# KiCad board Marble.kicad_pcb (continued)
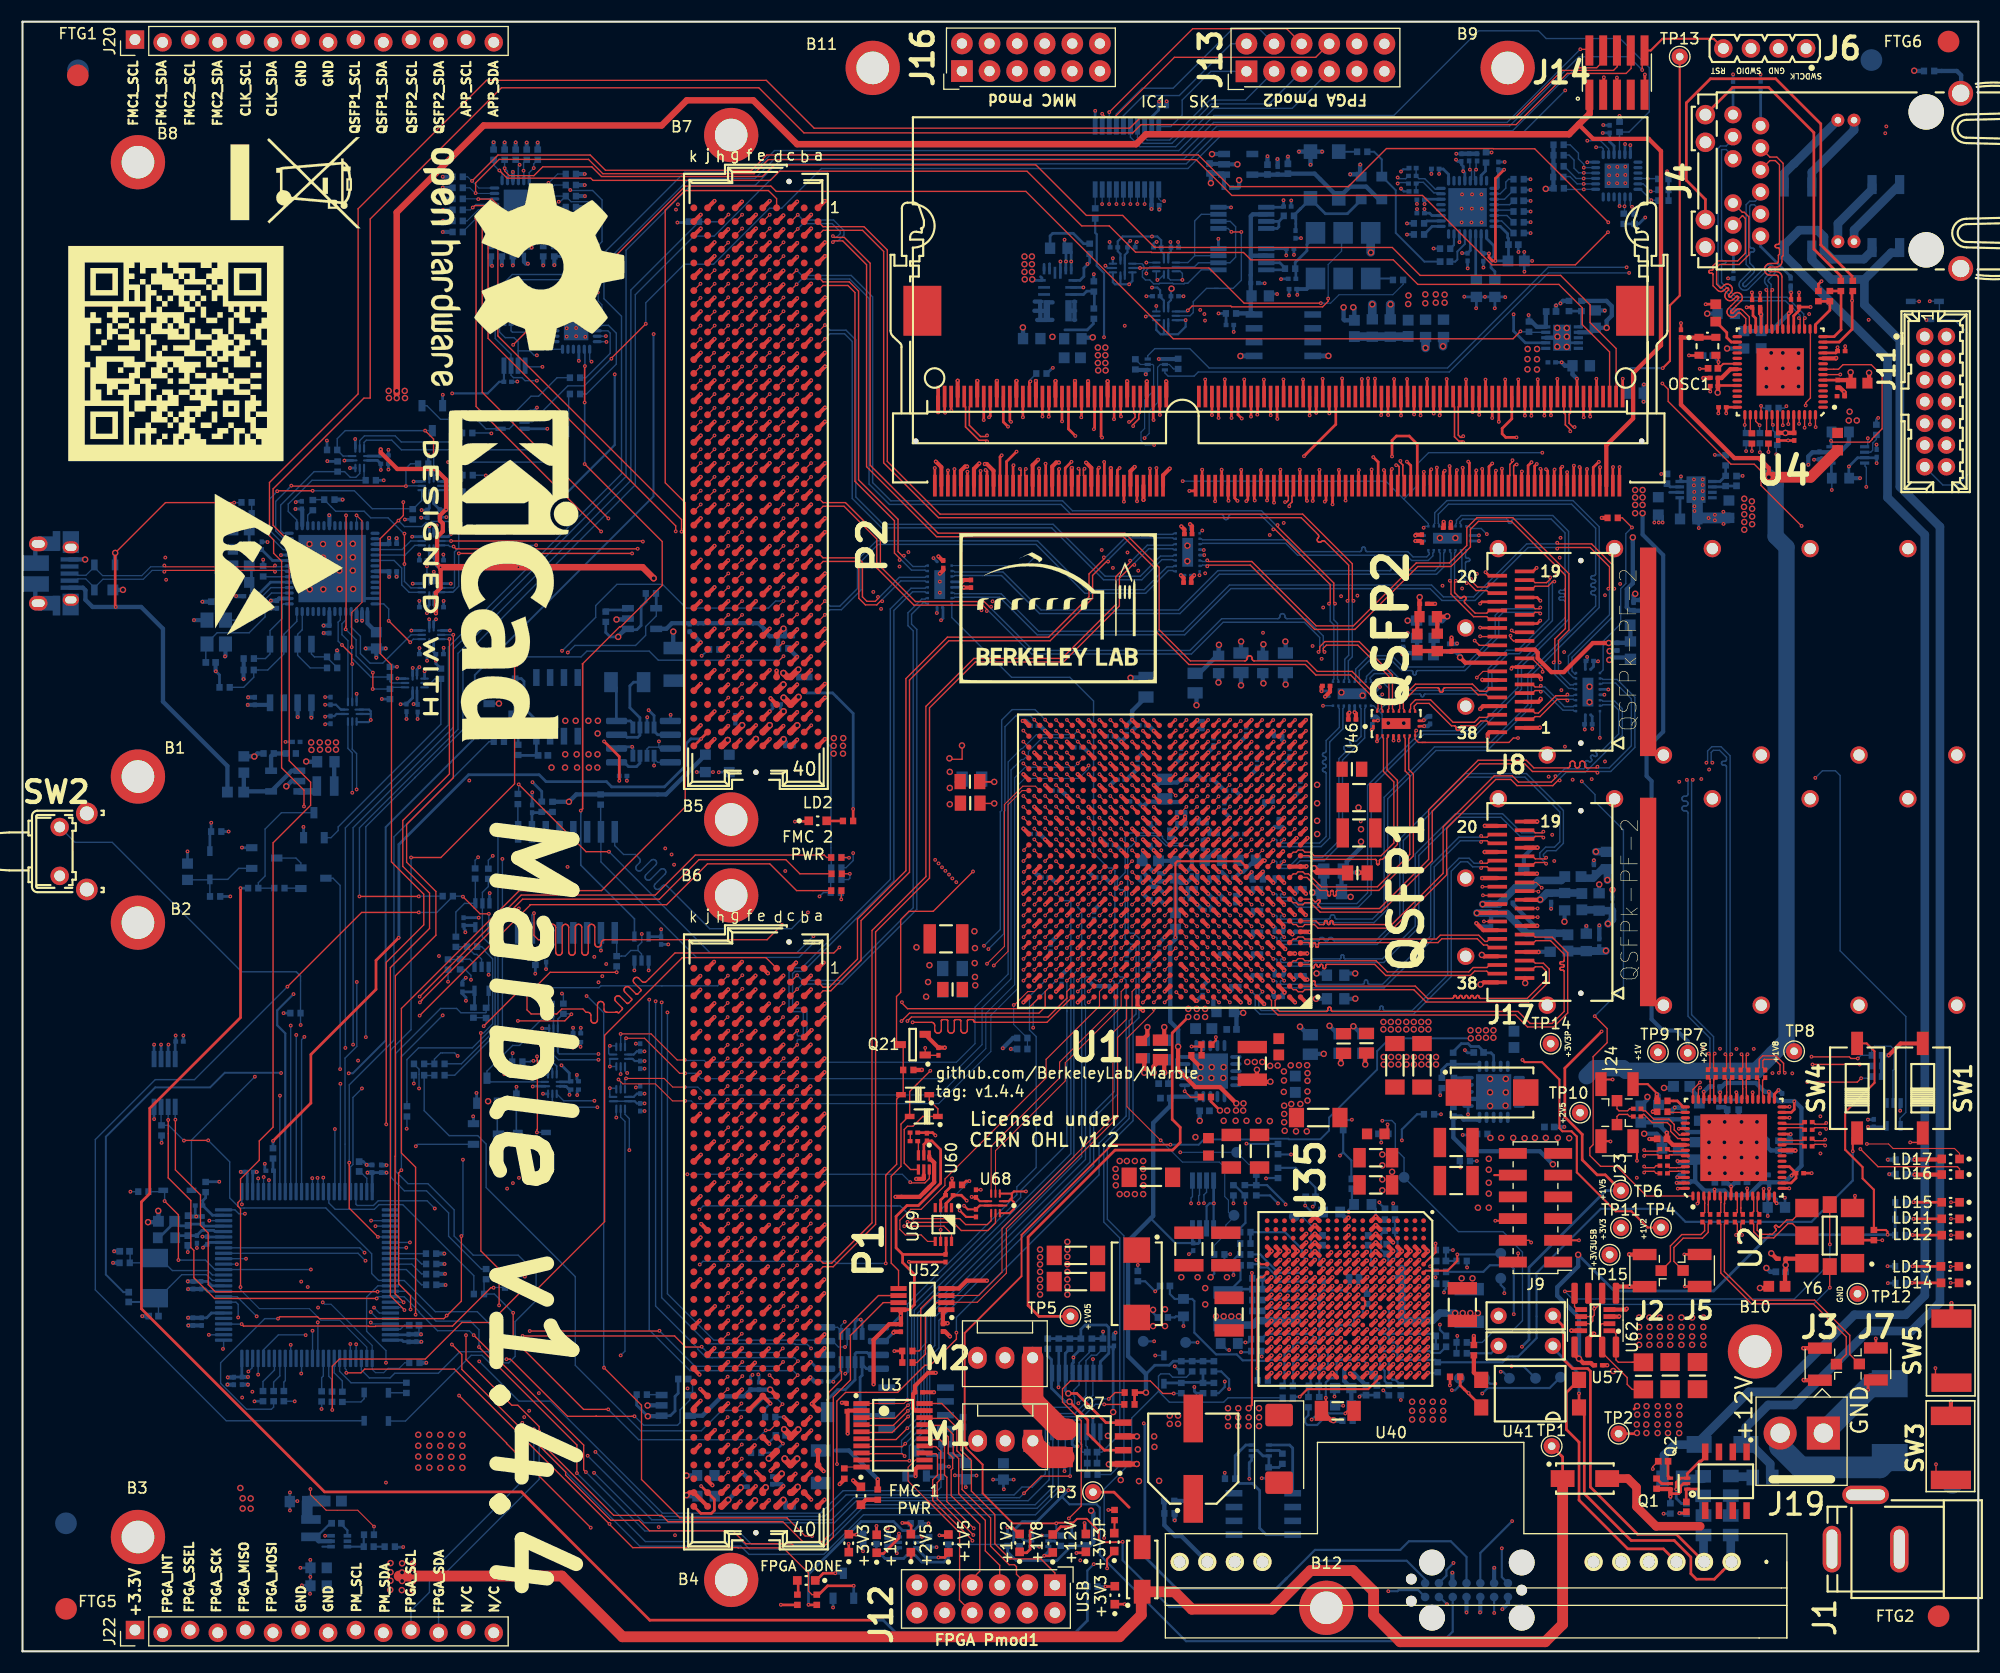
[diagram p0: board, top side]
## Routing (per net, layer and track width the routed paths; a pad name or vN(x,y) marks a point on that pad's centre or on a via; arc(x,y) is an arc through that point) (continued)
+1V8: length 234.1
  Top w0.2: U1.N6 112.12,72.73 106.29,72.73 106.11,72.55 v1(106.11,65.73)
  Top w0.254: R76.1 109.39,50.6 v2(110.21,49.77) ; 154.28,120.94 154.3,120.92 ; 152.66,120.92 C43.1
  Top w0.4: v2(106.36,55.65) 106.36,53.52 107.95,51.93 110.21,51.93 v2(111.71,50.43) ; 160.74,108.08 v2(160.73,108.07) 160.73,108.91 159.8,109.83 157.55,109.83 152.64,114.75 C43.1 ; 152.66,120.92 155.85,120.92
  Top w1: v2(160.73,108.07) 164.57,108.07 L3.1
  In2.Cu w0.254: v1(96.25,14.83) 96.84,15.42 96.84,16.29 96.59,16.54 96.59,21.47 97.59,22.47 97.59,23.59 97.75,23.75 97.75,25.83 97.95,26.03 97.95,27.13 98.65,27.83 100.75,27.83 102.45,29.53 102.45,33.33 106.9,37.78 106.9,41.68 109.62,44.4 109.62,49.19 ; 109.63,49.19 v2(110.21,49.77)
  Bottom w0.2: 95.65,14.23 96.35,13.53 98.85,13.53 99.15,13.23 99.15,8.87 107.09,0.93 130.75,0.93 131.63,1.81 131.63,5
  Bottom w0.254: R255.1 91.65,9.68 91.23,10.1 91.23,11.14 92.02,11.93 93.35,11.93 v1(96.25,14.83)
  Bottom w0.4: v2(106.36,55.65) 106.36,57.24 105.63,57.96 105.63,65.08 106.12,65.57 L27.1
  Bottom w1.5: 161.15,55.03 159.55,53.43 147.55,53.43 147.3,53.68 144.7,53.68 143.95,52.93 ; v2(160.73,108.07) 161.35,107.45 161.35,102.63 162.35,101.63 162.35,56.23 161.05,54.93
  vias: v2(110.87,49.77) v2(111.68,49.77) v2(112.37,50.43) v2(112.35,49.77) v2(116.08,51.49) v2(116.12,50.22) v2(116.12,49.46) v2(116.12,48.7) v2(116.17,47.91) v2(116.77,50.37) v2(117.21,47.86) v2(117.6,50.38) v2(118.2,47.86) v2(118.26,51.53) v2(118.26,50.69) v2(135.1,47.26) v2(136.1,47.26) v2(137.2,47.26) v2(138.25,47.23) v2(139.2,47.26) v2(140.2,47.26) v2(141.3,47.26) v2(142.35,47.23)
+1V8_USB: length 2.2
  Bottom w0.381: C173.1 31.75,94.62 U23.43
+2V5: length 309.6
  Top w0.127: 88.29,78.04 v2(89.43,78.04)
  Top w0.178: 86.63,65.58 C239.1 86.91,65.58 ; 88.29,80.03 v2(89.43,80.03)
  Top w0.2: v1(87.35,41.83) 87.4,41.78 C319.1 88.1,41.43 U68.6
  Top w0.254: R162.1 72.35,4.27 v1(72.34,4.28) ; R1.1 80.97,27.63 R2.1 80.25,27.64 v1(80.24,27.63) ; v1(167.05,120.03) C55.1 166.89,119.51 U4.11 ; C56.1 163.02,112.2 U4.52 ; C79.1 161.52,112.21 U4.49 ; v1(85.55,43.53) 85.56,43.52 R6.1 85.56,42.89 84.95,42.28 C433.1 84.5,41.53 U69.3 ; 162.49,112.15 162.48,112.15 v2(162.25,112.15) 162.49,112.15 162.5,112.15 ; U1.F26 v1(92.12,64.73)
  Top w0.381: U1.U23 v1(95.12,76.73) ; U1.AC25 v1(93.12,82.73) ; U1.H20 v1(98.12,66.73) ; U1.G23 v1(95.12,65.73) ; U1.T6 v1(113.12,75.73) ; U1.AD22 v1(96.12,83.73) ; U1.T16 v1(102.12,75.73) ; U1.L7 v1(112.12,69.73) ; U1.A21 v1(97.12,59.73) ; U1.F16 v1(102.12,64.73) ; U1.E19 v1(99.12,63.73) ; U1.T26 v1(92.12,75.73) ; U1.P7 v1(112.12,73.73) ; U1.K24 v1(94.12,68.73) ; U1.P22 v1(96.12,73.73) ; U1.D22 v1(96.12,62.73) ; U1.Y24 v1(94.12,79.73) ; U1.M18 v1(100.12,70.73) ; U1.C15 v1(103.12,61.73) ; U1.D12 v1(107.12,62.73) ; U1.G13 v1(105.12,65.73) ; U1.B8 v1(111.12,60.73) ; U1.H10 v1(109.12,66.73) ; v1(97.12,80.73) 97.12,80.73 U1.AA21 ; P1.G39 65.62,14.61 ; v1(92.06,85.64) 92.21,85.64 U1.AF26 ; R4.1 75.64,15.81 v1(75.21,15.38) ; v1(110.12,63.73) 110.12,63.73 U1.E9 ; v1(101.11,67.72) 101.11,67.72 U1.J17 ; U1.N25 93.12,71.73 v1(93.12,71.73) ; U1.V20 98.12,77.73 v1(98.12,77.73) ; U1.A11 107.99,59.86 v1(108.07,59.86) ; v1(97.12,69.73) 97.12,69.73 U1.L21 ; U3.2 76.01,22.16 75.94,22.09 v1(75.94,20.04) ; v1(99.21,74.79) 99.21,74.64 U1.R19 ; P1.H40 64.35,13.34 ; P2.H40 64.37,83.34 ; U1.C25 v1(93.12,61.73) ; U1.B18 v1(100.12,60.73)
  Top w0.4: v2(103.53,57.45) 103.53,56.74 C281.1 ; C79.1 162.49,112.15 ; v1(38.05,95.55) 38.05,97.45 38.48,97.88 v1(38.48,99.79) 38.16,100.11 38.16,102.56 38.68,103.09 38.68,103.81 38.42,104.07 38.42,104.55 38.96,105.1 v1(38.99,105.1) 38.99,107.84 38,108.83 34.49,108.83 32.97,110.35 v1(32.97,110.63) ; v1(85.14,30.19) 84.76,30.19 C21.1 84.71,31.12 U52.1 ; C287.1 105.08,56.61 v2(105.08,57.45) ; R160.1 82.76,53.51 v1(82.77,53.52) ; C56.1 162.5,112.15
  Top w0.6: 64.37,83.34 64.9,83.87 v2(64.9,83.88) ; v2(58.09,98.77) 57.07,99.79 v1(38.48,99.79) ; P2.G39 v2(66.23,85.25) ; P1.F40 v2(67.41,13.88) ; P2.E39 v2(68.77,85.25) ; P2.F40 v2(67.5,83.98) ; v2(68.4,15.08) 68.13,14.82 P1.E39 ; 65.62,14.61 v2(66.09,15.08) ; 64.35,13.34 v2(64.94,13.94)
  In2.Cu w0.254: v1(83.39,11.78) 80.87,14.29
  In2.Cu w0.6: v2(58.09,98.77) 58.09,96.68 61.82,92.95 61.82,83.61
  In4.Cu w0.254: v1(125.7,5.53) 124.9,5.53 123.05,7.38 117.15,7.38 115.55,5.78 103.7,5.78 103.1,6.38 99.26,6.38 97.81,7.84 76.46,7.84 72.9,4.28 v1(72.34,4.28)
  In4.Cu w0.381: v1(167.05,120.03) 167.05,120.39 169.84,123.18 176.05,123.18 177.07,122.16 J11.2
  In9.Cu w0.254: v1(50.67,57.39) 50.42,57.39 47.19,60.63 v1(47.19,62.37) 47.19,62.62 47.9,63.33 47.9,75.81 v2(50.29,78.2)
  Bottom w0.13: R282.2 74.43,73.07 R283.1 74.41,83.24 74.01,83.63
  Bottom w0.2: 129.09,5 128.45,5.63 126.65,5.63 126.55,5.53 v1(125.7,5.53) ; v1(57.25,51.33) C423.1 56.55,51.33 56.25,51.03 U51.6 ; v1(57.24,55.22) 57.24,55.23 C422.1 56.55,55.23 56.25,54.93 U65.6
  Bottom w0.254: 50.03,51.99 49.91,51.99 49.89,52.01 49.47,52.01 U9.7 ; 50.03,51.99 49.93,51.99 ; 50.03,51.99 50.29,51.73 50.35,51.73 50.35,51.23 v1(50.34,51.22) ; v1(32.97,110.63) 32.97,110.63 C186.1 32.92,110.02 U33.6 ; v1(49.6,53.94) 50.32,53.22 50.32,52.42 50.32,52.41 U9.6 ; v1(47.9,51.32) 47.91,51.31 U9.10 ; R166.1 45.64,100.74 v1(45.64,99.79) ; U26.6 37.84,105.65 C185.1 38.98,105.09 v1(38.99,105.1) ; v1(44.31,56.63) 44.31,56.63 R131.1 ; v1(170.79,113.53) 170.62,113.36 R262.1 ; v1(83.39,11.78) R251.1 82.69,11.76 82.05,11.12 81,11.12 80.17,11.94 77.18,11.94 72.34,7.1 v1(72.34,4.28) ; v1(47.19,62.37) 47.2,62.39 R227.1 ; v1(47.75,55.72) 47.75,56.1 47.88,56.23 48.21,56.23 U8.1 ; v1(38.05,95.55) 38.05,95.55 C356.1 37.84,96.32 U15.6 ; v1(48.46,54.83) 48.47,54.84 U8.10 48.47,55.31 ; U8.6 50.42,56.63 C213.1 50.68,57.39 v1(50.67,57.39) ; v1(38.48,99.79) 38.23,99.79 38.05,99.97 C187.1 37.84,100.63 U38.6 ; U8.7 50.52,56.23 C212.1 50.68,55.57 v1(50.67,55.57)
  Bottom w0.381: v1(112.12,69.73) 111.97,69.58 C248.1 ; v1(105.12,65.73) 104.62,65.23 C333.1 ; v1(102.12,64.73) 101.62,64.23 C249.1 ; C260.1 U1.H20 v1(98.12,66.73) ; C258.1 94.62,65.23 v1(95.12,65.73) ; C256.1 U1.T6 v1(113.12,75.73) ; C337.1 111.27,60.88 v1(111.12,60.73) ; 95.62,62.08 95.62,62.23 v1(96.12,62.73) ; C262.1 U1.T26 v1(92.12,75.73) ; v1(100.12,70.73) 99.62,71.23 99.47,71.23 ; v1(103.12,61.73) U1.C15 C335.1 ; 96.77,83.23 U1.AD22 v1(96.12,83.73) ; v1(94.12,79.73) U1.Y24 C247.1 ; C245.1 93.57,71.43 93.42,71.43 v1(93.12,71.73) ; C251.1 100.12,61.08 v1(100.12,60.73) ; 110.27,64.23 110.12,64.08 v1(110.12,63.73) ; C392.1 108.59,60.38 v1(108.07,59.86) ; v1(99.21,74.79) 99.77,74.24 C250.1 ; v1(92.06,85.64) 92.36,85.64 92.77,85.23
  Bottom w0.4: R64.2 168.1,111.2 167.27,110.37 U6.3 ; R225.1 v2(50.29,78.2) 50.96,78.87 R223.1 59.22,78.87 62.51,82.16 ; v1(164.36,109.22) 164.36,109.99 164.74,110.37 166.48,110.37 ; v1(90.22,55.51) 91.17,56.46 R221.1 ; v2(64.94,13.94) v2(66.09,15.08) 66.14,15.13 C67.1
  vias: v2(74.67,84.06) v2(74.65,83.34) v2(74.65,82.63) v2(75.54,84.06) v2(75.51,83.34) v2(75.51,82.63) v2(87.61,66.28) v2(87.66,64.73) v2(87.64,63.35) v2(87.66,62.07) v2(87.69,61.3) v2(100.6,44.39) v2(100.62,43.66) v2(100.62,42.89) v2(100.98,45.13) v2(100.98,42.08) v2(101.64,45.13) v2(101.64,42.08) v2(102.38,45.13) v2(102.38,42.08) v2(103.14,45.13) v2(103.14,44.39) v2(103.16,43.66) v2(103.16,42.89) v2(103.14,42.08)
+3V3: length 195.4
  Top w0.2: U68.1 U68.7 88.1,41.03 C318.1 87,40.68 86.75,40.93 86.73,40.93 v1(86.65,41.01)
  Top w0.254: 124.32,85.15 124.32,84.97 v1(124.18,84.83) ; v1(126.67,83.84) 126.67,83.84 126.67,84.3 ; R163.1 69.81,4.27 v1(69.8,4.28) ; U2.14 160.24,42.55 v1(160.25,42.56) ; 128.52,85.15 129,85.15 v1(129,85.16)
  Top w0.381: v1(86.64,97.93) 86.66,97.91 C37.1 ; v1(107.45,103.75) 107.64,103.56 C395.1 ; C305.1 122.02,86.31 v1(122.12,86.4) ; P1.C39 70.7,14.61 ; v1(84.05,25.63) 83.34,25.63 82.13,24.42 C314.1 81.97,23.67 81.97,22.36 82.17,22.16 U3.19 ; P1.D40 69.43,13.34 ; v2(71.3,85.23) 71.3,85.23 71.29,85.23 ; v1(128.19,102.71) 128.26,102.78 C292.1 ; v1(84.3,100.78) 84.67,100.4 C397.1 ; P2.D40 69.45,83.34 ; C396.1 120.34,88.33 v1(119.89,87.87) ; v1(107.83,99.05) 107.56,98.78 C104.1 ; P2.D36 69.45,88.42 ; C306.1 131.45,103.43 v1(131.45,103.97)
  Top w0.4: 83.48,42.75 83.91,43.17 83.91,44.97 83.45,45.43 U60.1 ; 83.48,42.75 82.95,42.21 ; 83.48,42.75 82.57,41.83 v1(80.35,41.83) ; L2.1 128.37,95.02 C297.1 128.57,97.01 v2(128.59,97.03)
  Top w0.5: 68.73,17.75 v2(68.68,17.75)
  Top w0.6: P2.C39 71.29,85.23 ; 70.7,14.61 70.83,14.61 v2(71.35,15.13) ; P1.D36 68.73,17.75 ; P2.D38 70.04,86.52 ; 69.45,88.42 v2(70.03,88.99) ; P1.D38 v2(69.87,16.35) ; 69.43,13.34 v2(70.03,13.94) ; 69.45,83.34 70.03,83.91
  In4.Cu w0.4: 108.66,100.9 107.89,100.9 107.83,100.96 107.83,101.01 ; v2(105.75,125.43) 106.85,125.43 107.82,124.46 107.82,108.08 108.54,107.36 108.54,104.12 109.23,103.43 109.23,102.84 109.08,102.69 108.27,102.69 ; 108.27,102.69 107.83,102.26 107.83,101.01 ; 108.27,102.69 107.45,103.5 v1(107.45,103.75) ; 107.83,101.01 v1(107.83,99.05)
  Bottom w0.127: v1(108.76,100.9) 108.76,100.9 108.65,100.9
  Bottom w0.2: U67.1 U67.7 101.45,128.53 101.7,128.78 C428.1 101.7,129.58 v1(101.95,129.83) ; 105.95,125.43 105.7,125.18 C316.1 105.7,124.38 105.45,124.13 U42.7 ; 47.57,121.12 47.5,121.12 47.25,120.88 v1(47.25,120.58) ; R28.1 44.7,125.34 v1(44.24,124.88) 44.33,124.8 C415.1 44.31,124.18 U59.1 ; v1(105.65,129.73) 105.7,129.68 C429.1 105.7,128.88 105.45,128.63 U53.7 ; J21.9 131.05,6.96 131.05,7.48 v1(131.7,8.13)
  Bottom w0.254: 146.31,68.17 146.32,68.19 C398.1 ; C400.1 145.12,64.5 145.07,64.45 ; R29.1 138.65,122.94 ; U48.10 119.89,87.89 119.89,87.88 v1(119.89,87.87) ; 144.33,90.39 144.59,90.65 144.59,91.13 v1(145.01,91.13) ; v1(160.63,40.07) 160.61,40.08 160.61,41.72 160.25,42.08 v1(160.25,42.56) ; v1(77.35,9.21) 77.37,9.22 R248.1 ; R224.1 47.79,79.15 v1(46.94,80) ; U50.6 131.39,103.92 131.43,103.97 v1(131.45,103.97) ; v1(134.05,102.72) 134.03,102.7 U50.10 ; 107.48,99.05 v1(107.83,99.05) ; v1(125.14,88.08) 124.96,87.89 U48.1 ; U58.14 94.52,127.7 94.54,127.71 ; R130.1 99.44,29.42 v1(99.45,29.43) ; R130.1 99.46,28.78 ; R130.1 R173.1 ; v1(84.3,100.78) 84.68,100.4 84.68,100.29 ; v1(84.54,94.91) 84.71,95.09 84.71,96.05 84.68,96.09 ; v1(146.98,141.33) R199.1 ; v1(145.44,139.76) 145.44,139.76 C215.1 146.07,138.97 146.48,138.56 U34.21 ; 93.21,126.2 93.22,126.19 U58.12 93.82,126.41 93.7,126.53 ; R172.1 95.91,16.59 v1(95.9,16.58) ; 145.18,88.04 145.58,88.04 v1(145.59,88.05) ; v1(147.49,138.74) 147.48,138.73 U34.23 ; U31.7 138.31,120.45 137.23,121.53 v1(137.23,123.07) ; U11.5 58.76,65.78 C78.1 v1(58.77,66.46) ; 70.04,86.52 69.77,86.79 C8.1 ; v1(149.35,131.98) 148.76,131.39 R302.1 R301.1 ; 170.68,109.89 170.65,109.86 168.89,109.86 168.08,109.05 168.08,108.13 ; C411.1 94.57,130.28 94.82,130.52 96.7,130.52 97.66,129.57 R24.1 ; R303.2 R304.2 151.49,135.52 R305.2 151.48,136.11 v1(151.36,136.23) ; v1(169.85,48.28) 171.43,48.28 171.5,48.35 ; R265.1 v1(171.68,33.89) ; v1(170.64,109.37) 170.65,109.37 C41.1 ; 144.33,86.19 144.47,86.06 C290.1 144.47,84.91 v1(144.47,84.9) ; U58.13 94.02,127.67 ; v1(86.64,97.93) 86.63,97.94 85.53,97.94 ; U39.18 48.23,123.05 v1(48.23,123.05) ; U48.6 122.11,86.41 v1(122.12,86.4) ; 107.48,103.25 107.48,103.72 v1(107.45,103.75) ; v1(51.23,125.28) 50.89,125.28 C342.1 50.88,125.26 50.97,125.26 50.7,124.99 U39.21 ; R264.1 171.66,35.44 v1(171.65,35.45) ; U12.19 103.92,141.23 104.57,141.87 104.57,142.18 ; v1(128.19,102.71) 128.19,102.7 U50.1 ; 108.33,100.9 108.65,100.9
  Bottom w0.381: R50.2 38.71,134.71 v1(38.68,134.74) ; R91.2 51.71,132.93 v1(51.74,132.96) ; R62.2 v1(169.12,107.98) ; R55.2 v1(51.74,135.98) ; v2(149.55,51.03) 149.55,50.8 L8.2 ; v1(124.18,84.83) 124.23,84.88 C291.1 ; R83.2 v1(51.69,131.92) ; R54.2 45.39,138.23 v1(45.39,138.89) ; R56.2 v1(47.42,138.88) ; v2(149.25,47.64) 149.25,47.64 150.42,47.64 150.89,47.18 L6.1 ; C23.1 129.34,85.16 v1(129,85.16) ; 152.03,51.86 v2(151.08,51.86) ; R49.2 v1(38.68,135.73) ; R53.2 v1(46.4,138.88)
  Bottom w0.4: R29.1 138.66,122.41 138.88,122.41 139.37,121.91 U31.10 140.2,123.29 C24.1 ; 70.03,83.91 70.23,83.7 C7.1 ; C64.1 69.6,16.08 v2(69.87,16.35) ; v2(121.59,123.71) 121.59,122.61 121.68,122.51 L11.1 122.58,123.61 v2(122.48,123.71) ; R19.1 v1(171.68,45.25) ; L1.1 149.46,95.76 149.44,95.79 148.32,95.79 C295.1 147.93,95.83 147.65,96.1 147.65,97.76 148.21,98.31 v2(148.21,102.53) ; C63.1 70.25,13.71 v2(70.03,13.94) ; 140.9,138.67 140.9,134.62 v2(140.19,134.62) ; v1(171.81,43.92) 172.39,43.92 R18.1 ; v1(104.61,142.65) 104.61,142.24 C315.1 ; L4.1 v2(156.88,119.92) ; C294.1 127.1,92.4 v2(127.1,91.86) 127.12,91.89 128.36,91.89 128.36,93.22 C296.1
  Bottom w0.7: L44.1 C403.1 144.55,64.45 ; L30.1 145.03,68.25 C401.1 146.31,68.17 146.33,68.16 146.33,67.35 145.95,66.97 v2(145.92,66.97) ; 144.55,64.45 145.7,64.45 v2(145.73,64.48) ; 144.55,64.45 145.07,64.45 ; 145.46,72.08 144.56,71.17 143.44,71.17 ; 145.52,72.09 145.87,71.73 145.87,70.97
  vias: v1(138.61,123) v1(168.09,109.06) v2(70.05,86.52) v2(70.05,83.96) v2(92.22,128.39) v2(92.22,127.68) v2(92.22,126.97) v2(92.24,126.28) v2(92.9,128.39) v2(92.9,127.68) v2(92.9,126.97) v2(92.93,126.28) v2(93.65,36.98) v2(93.65,36.27) v2(93.65,35.61) v2(93.65,34.93) v2(93.65,34.21) v2(93.65,33.53) v2(93.65,32.84) v2(96.16,37.69) v2(96.16,36.98) v2(96.16,36.32) v2(96.16,35.63) v2(96.16,34.92) v2(96.16,34.23) v2(96.16,33.55) v2(96.16,32.84) v2(145.87,71) v2(158.46,106.09) v2(158.44,105.35) v2(158.46,104.66) v2(158.46,103.95) v2(158.46,103.24) v2(159.16,105.85) v2(159.19,105.17) v2(159.19,104.46) v2(159.19,103.75)
+3V3_CLEAN: length 27.9
  Bottom w0.254: U16.1 116.3,129.11 C112.1 116.31,128.5 v1(116.31,128.49) ; v1(116.05,133.57) 116.06,133.57 C117.1 115.99,132.92 U19.1 ; v1(110.08,123.15) R58.2 110.77,123.13 C110.1 110.77,122.54 ; U20.4 132.75,136.08 v1(132.59,136.24) 132.59,136.69 132.44,136.84 132.44,137.14 132.09,137.14 v1(131.93,137.3) ; L26.2 138.22,127.01 v1(138.23,126.99) ; L26.2 v1(138.22,128.81) ; L26.2 v1(138.94,127.98) ; U20.30 129.09,133.66 ; v1(135.21,137.97) 135.19,137.98 134.65,137.98 ; v1(129.03,133.22) 129.03,133.62 C116.1 129.09,133.56 ; C115.1 117.32,125.34 v1(117.32,124.86) ; 118.69,126.05 Y3.6 ; 130.38,136.49 v1(130.38,135.99) ; U20.20 133.25,128.94 C125.1 132.51,128.69 v1(132.49,128.71) ; U20.27 129.72,132.16 129.51,132.38 C124.1 129.03,132.38 v1(129.03,132.76) ; 130.43,136.44 130.76,136.44 131.25,135.95 U20.1
  Bottom w0.354: 118.62,125.82 118.19,125.39 C115.1
  Bottom w0.381: U13.1 110.57,135.91 C80.1 ; 109.37,135.4 v2(109.37,135.15) ; v2(109.48,137.81) 109.49,137.82 U13.3
  Bottom w0.402: U13.1 110.5,136.02 109.37,136.02 109.37,135.4
  vias: v2(127.56,124.8) v2(127.53,124.01) v2(129.11,124.9) v2(129.11,124.09) v2(130.07,124.9) v2(130.07,124.14) v2(130.88,124.88) v2(130.88,124.14)
+3V3_USB: length 262.8
  Top w0.254: v1(78.25,2.86) 57.73,2.86 45.92,14.67 27.8,14.67 10.94,31.53 10.94,41.37 11.71,42.13 11.71,49.98 20.06,58.33 v1(20.06,70.25)
  In2.Cu w0.2: v1(98.59,8.02) 104.39,13.82 106.44,13.82 110.9,18.28 117.7,18.28 119.72,20.3 132.52,20.3 136.6,24.38 136.6,26.98 137.05,27.43 137.05,28.19 139.25,30.39 139.25,30.98 140.55,32.28 143.84,32.28 146.07,34.51 TP15.1
  Bottom w0.127: v1(37.22,99.88) 37.22,99.31 37.44,99.09 U15.1
  Bottom w0.2: U66.7 29.3,86.68 28.85,87.13 C424.1 v1(27.85,87.13) ; U66.10 v1(30.75,88.13) ; R78.1 98,7.43 v1(98.59,8.02)
  Bottom w0.254: R121.1 33.08,87.65 v1(33.07,87.66) ; v1(34.8,87.18) 34.81,87.2 C178.1 35.9,87.76 U24.7 ; v1(34.5,89.55) 34.52,89.53 U24.10 ; v1(35.91,90.52) 35.9,90.51 U24.1 ; v1(17.98,100.55) 18.62,99.91 L24.1 ; v1(78.25,2.86) 79.22,2.86 80.34,1.74 96.92,1.74 98,2.82 R78.1 ; v1(35.19,104.18) 35.2,104.19 R122.1 ; v1(34.47,90.62) 34.46,90.62 R123.1 ; v1(18.29,103.19) 18.31,103.22 L25.1 ; v1(37.23,91.18) 37.23,91.18 C180.1 37.44,92 U25.7 ; U26.10 36,107.68 v1(35.99,107.67) ; R271.2 v1(20.06,70.25) ; U15.7 37.44,96.32 C355.1 37.23,95.57 v1(37.22,95.56) ; v1(32.98,108.74) 32.97,108.75 C183.1 32.66,109.62 U33.7 ; R125.1 28.08,109.53 v1(28.05,109.55) 28.03,109.58 ; U25.10 35.79,93.96 v1(35.79,93.96) ; v1(37.45,103.56) 37.44,103.55 U38.1 ; v1(25.12,105.15) 25.12,105.15 C164.1 ; U26.1 37.44,109.22 R124.1 37.35,110.11 v1(37.36,110.12) ; U26.7 37.44,105.22 C182.1 36.73,105.05 v1(36.73,105.04) ; U38.7 37.44,100.63 C184.1 37.23,99.88 v1(37.22,99.88) ; v1(30.13,108.92) 30.14,108.92 U33.10 ; v1(35.91,98.28) 35.92,98.28 U15.10 ; R270.1 v1(19.12,69.48) ; R126.1 v1(33.25,107.79) ; D16.1 17.24,75.34 R272.2 17.36,76.25 v1(17.37,76.27)
  Bottom w0.381: C164.1 25.75,105.11 U23.16 ; v1(25.33,85.99) 25.32,86.01 U21.6 ; U23.50 28.25,94.43 C170.1 27.72,94.42 v1(27.71,94.41) ; U23.31 33.7,101.91 C176.1 33.73,102.47 v1(33.74,102.48) ; R113.1 28.97,92.11 v1(28.95,92.13) ; U23.36 33.73,99.41 C177.1 33.73,98.91 v1(33.74,98.9) ; R117.1 20.36,90.34 R115.1 v1(20.34,89.49) ; v1(31.25,94.87) 31.25,94.88 U23.44 ; v1(20.74,87.11) 20.74,87.12 C163.1 22.59,87.12 U21.8 ; U23.2 23.62,96.91 C169.1 22.86,96.71 v1(22.86,96.71)
  Bottom w0.4: L23.2 28.69,81.85 C172.1
  vias: v2(26.57,83.66) v2(26.59,82.97) v2(27.35,83.66) v2(27.38,83) v2(28.11,83.66) v2(28.14,83) v2(28.85,83.66) v2(28.85,83)
+12V: length 87.9
  Top w0.127: 146.57,27.71 146.56,27.7 ; 148.15,26.61 R15.2 146.87,26.61 146.66,26.83 U62.8 146.66,29.23 146.37,29.51 U57.1
  Top w0.2: v1(119.95,23.33) 119.95,22.53 R134.1 ; v2(112.85,22.37) 113.15,22.67 v1(113.15,34.83)
  Top w0.4: U35.H18 v1(123.75,26.43) ; v2(120.65,21.27) 120.41,21.27 R134.1
  In7.Cu w0.2: 133.65,10.93 133.65,5.93 135.45,4.13 v1(135.45,3.53)
  Bottom w0.127: R254.1 90.52,9.83 R252.1
  Bottom w0.2: v1(135.45,3.53) 135.44,3.54 135.44,5 ; R111.1 113.18,34.8 v1(113.15,34.83) ; R133.2 119.35,22.03 v1(118.65,21.33) ; v1(123.75,26.43) 123.35,26.83 121.36,26.83 121.35,26.83 121.19,26.83 120.95,26.59 120.95,25.33 120.74,25.13 120.35,25.13 119.95,24.73 v1(119.95,23.33) ; v1(137.25,31.03) 137.25,35.23 136.95,35.53 135.05,35.53 134.45,34.93 R110.1
  Bottom w0.254: R249.1 78.58,9.34 79.38,8.54 81.09,8.54 81.38,8.83 82.15,8.83 82.77,8.21 84.81,8.21 85.21,8.61 R252.1 ; R257.1 97.79,9.71 R256.1 96.55,9.71 95.2,8.36 91.45,8.36 90.66,9.15 R254.1 ; v2(48.68,85.65) 47.33,85.65 46.15,86.83 46.15,89.29 45.9,89.54 R203.1 ; R202.1 86.45,18.02 86.79,17.68
  Bottom w0.4: R109.2 120.69,21.23 v2(120.65,21.27) ; v2(98.35,12.94) 98.55,12.74 98.55,10.08 98.23,9.76 R257.1
  vias: v2(48.69,81.35) v2(49.96,85.65) v2(49.95,82.57) v2(49.93,81.35) v2(50.91,85.65) v2(51,82.57) v2(51.04,81.35) v2(52.08,85.65) v2(52.09,82.57) v2(52.13,81.35) v2(52.96,85.65) v2(52.93,84.48) v2(52.92,82.57) v2(52.91,81.35) v2(110.95,22.37) v2(110.95,21.53) v2(110.95,20.73) v2(111.89,22.37) v2(111.89,21.53) v2(111.89,20.73) v2(112.85,21.53) v2(112.85,20.73) v2(113.81,22.37) v2(113.81,21.53) v2(113.81,20.73) v2(148.79,30.72) v2(148.79,29.85) v2(148.79,28.98) v2(148.79,28.21) v2(149.74,30.72) v2(149.74,29.85) v2(149.74,28.98) v2(149.74,28.21) v2(150.7,30.72) v2(150.7,29.85) v2(150.7,28.98) v2(150.7,28.21) v2(151.65,30.72) v2(151.65,29.85) v2(151.65,28.98) v2(151.65,28.21) v2(152.68,30.72) v2(152.68,29.85) v2(152.68,28.98) v2(152.68,28.21) v2(153.66,30.72) v2(153.66,29.85) v2(153.66,28.98) v2(153.66,28.21) v2(154.69,30.72) v2(154.69,29.85) v2(154.69,28.98) v2(154.69,28.21)
+12V_FMC1: length 19
  Top w0.381: P1.C37 70.7,17.15 ; P1.C35 70.7,19.69
  Top w0.4: R235.1 v1(78.71,15.83) ; 71.29,17.75 v2(71.29,17.73)
  Top w0.6: v2(70.15,17.74) 70.15,17.67 P1.C37 ; 70.7,17.15 71.29,17.75 ; v2(70.1,20.43) 70.67,19.86 P1.C35 v2(71.4,20.41)
  Bottom w0.254: U63.7 77.95,27.28 77.72,27.51 76.75,27.51 76.62,27.38 76.62,24.98 75.72,24.08 75,24.08 74.09,23.17 R182.2 74.09,22.21
  Bottom w0.4: v1(78.71,15.83) 76.06,18.48 74.86,18.48
+12V_FMC2: length 26.5
  Top w0.254: R236.1 76.45,76.43 v1(76.45,77.54)
  Top w0.381: P2.C35 70.72,89.69 ; P2.C37 70.72,87.15
  Top w0.5: 71.42,87.85 v2(71.42,87.85)
  Top w0.6: 70.05,87.78 70.68,87.15 70.72,87.15 71.42,87.85 ; 71.29,90.26 70.72,89.69 70.39,89.69 v2(70.03,90.05)
  Bottom w0.254: 72.13,88.23 72.15,88.21 74.56,88.21 76.45,86.33 v1(76.45,77.54) ; 55.45,84.31 55.62,84.13 56.62,84.13 56.82,84.33 U32.2 56.82,85.93 55.9,86.86 55.9,88.86 56.25,89.21 R183.2
  vias: v2(70.05,87.78) v2(71.41,90.37)
/FPGA/FPGA_PWR&MISC/GNDADC: length 12.7
  Top w0.381: U1.P12 v1(107.12,73.73) ; U1.P11 v1(108.12,73.73) ; U1.M11 v1(108.12,70.73) ; U1.N11 v1(108.12,71.73) ; U1.N12 v1(107.12,71.73)
  Bottom w0.381: U1.P11 v1(108.12,73.73) ; U1.P11 C224.2 ; U1.P11 v1(107.12,73.73) 106.14,72.75 C222.2 ; C224.2 107.47,72.08 v1(107.12,71.73) 106.12,72.73 C222.2 ; C224.2 107.77,72.08 v1(108.12,71.73) v1(108.12,70.73) ; C222.2 106.11,72.76 104.61,72.76
/FPGA/FPGA_PWR&MISC/VCCADC: length 5.9
  Top w0.381: U1.M12 v1(107.12,70.73)
  Bottom w0.381: C224.1 107.62,71.23 v1(107.12,70.73) 106.54,70.73 C222.1
  Bottom w0.4: L27.2 C222.1
/Power/+12VS: length 19
  Top w0.127: 145.27,28.07 145.25,28.05 ; R15.1 148.15,24.11 147.69,24.57 147.69,25.19 145.39,27.5 145.39,28.01 145.25,28.14 145.25,30.03 145.37,30.16 U57.2
  Top w0.254: C131.1 151.45,16.12 Q1.4 ; 148.32,22.29 v2(148.6,22.57) ; 146.94,20.03 148.4,20.03
  Bottom w0.254: Q22.4 116.62,18.98 116.9,18.7 Q4.1
  vias: v2(148.57,20.88) v2(148.58,20.09) v2(148.61,21.79) v2(149.47,22.56) v2(149.48,21.78) v2(149.44,20.87) v2(149.46,20.09) v2(150.5,22.56) v2(150.47,20.87) v2(150.49,20.09) v2(150.51,21.78) v2(151.45,22.56) v2(151.47,21.78) v2(151.43,20.87) v2(151.44,20.09) v2(152.49,22.56) v2(152.5,21.78) v2(152.46,20.87) v2(152.47,20.09)
/Power/Power_SW/1V5_DCDC: length 15
  In7.Cu w0.4: v2(94.79,121) 97.63,123.84 v1(97.63,125.54)
  Bottom w0.254: 95.94,121.63 97.99,121.63 98.55,122.19 98.55,122.58 ; v1(97.63,125.54) 97.63,125.54 U58.2
  Bottom w0.4: 94.34,123.38 93.75,123.38 ; 94.8,124.17 94.21,124.17 ; 94.21,122.55 93.39,122.55 ; U58.8 93.13,123.39 ; 94.79,122.56 94.2,122.56 ; U58.9 93.16,124.24 ; 93.66,124.13 93.66,123.54 ; 93.68,123.22 93.68,122.62
/Power/Power_SW/1V5_EN: length 154.8
  In4.Cu w0.2: v1(38.33,64) 28.5,64 24.99,60.49 v1(24.94,60.49)
  In7.Cu w0.2: v1(38.33,64) 38.33,64.31 41.55,67.54 41.55,85.39 42.11,85.94 42.11,105.92 v1(42.5,106.31) ; v1(98.02,127.7) 97.84,127.53 97.54,127.53 94.99,124.98 87.07,124.98 84.25,127.8 59.99,127.8 55.52,123.33 55.52,118.56 v1(54.51,117.54)
  Bottom w0.102: 98.04,127.68 v1(98.02,127.7)
  Bottom w0.2: v1(24.94,60.49) 23.44,58.99 23.44,57.62 24.18,56.88 24.18,42.31 ; v1(42.5,106.31) 49.78,106.31 54.51,111.04 v1(54.51,117.54)
  Bottom w0.254: R24.2 98.22,127.85 97.69,127.32 97.69,126.55 97.32,126.19 U58.1
/Power/Power_SW/LTM4673/1V0: length 0.6
  Bottom w0.2: R243.2 v1(130.55,49.43)
/Power/Power_SW/LTM4673/1V8: length 0.8
  Bottom w0.2: R244.2 122.32,48.9 v1(122.35,48.93)
/Power/Power_SW/LTM4673/2V5: length 1.1
  Bottom w0.2: v1(114.45,43.53) 114.48,43.56 R306.2
/Power/Power_SW/LTM4673/3V3: length 0.6
  Bottom w0.2: R307.2 v1(102.65,35.56)
GND: length 1294.5
  Top w0.127: 149.62,92 149.62,83.34 150.46,82.5 151.03,82.5 ; v2(85.31,82.19) 85.39,82.11 86.48,82.11 86.48,83.36 v2(86.46,83.38) ; 149.63,68.96 149.64,68.97 149.64,60.25 150.42,59.47 151.05,59.47 ; 86.49,80.03 85.84,80.03 ; 150.34,17.51 150.34,17.29 150.03,16.98 150.03,16.8 v1(150.05,16.78)
  Top w0.2: v1(125.64,48.5) 125.64,47.92 C346.1 ; C318.2 86.85,39.98 v1(86.25,40.58) ; v1(148.59,45.15) 148.59,46.59 J23.2 ; J24.2 149.58,52.21 150.42,51.36 v1(150.42,51.27) ; J9.3 v1(143.25,37.83) ; v1(99.82,7.64) 99.82,8.5 100.48,9.16 LD18.1 ; J24.2 145.7,52.63 v1(146.35,52.63) ; J23.2 146.12,46.96 v1(146.15,46.93) ; C319.2 88.19,42.48 v1(88.2,42.48) ; U68.2 90.75,41.43 90.95,41.63 ; v1(92.35,42.33) 91.25,42.33 91.05,42.13 ; 91.05,42.13 91.05,41.73 90.95,41.63 ; 91.05,42.13 U68.3 ; 90.95,41.63 91.25,41.33 91.25,40.73 90.85,40.33 U68.10 ; J9.10 135.45,43.83
  Top w0.254: v1(124.47,117.15) 124.48,117.14 124.48,115.52 ; C420.2 83.76,47.74 v1(84.02,47.48) 84.01,47.48 ; SK1.25 91.17,109.13 v1(91.21,109.17) ; C52.2 159.19,125.05 v1(159.16,125.08) ; v1(152.3,43.63) 152.32,43.61 U2.62 ; U2.33 161.24,51.28 v1(161.62,51.65) ; J8.20 134.98,99 v1(134.65,99.33) ; 127.44,115.48 127.44,117.1 v1(127.43,117.11) ; 169.89,122.54 v1(169.91,122.56) ; J8.16 139.4,97 139.7,96.7 v1(139.7,96.7) ; 97.79,9.07 97.03,9.07 v1(97,9.05) ; SK1.185 141.57,108.9 v1(141.71,109.04) ; C56.2 162.5,111.45 v1(162.49,111.46) 162.48,111.45 C79.2 ; C49.2 v1(159.92,125.05) ; v1(134.15,96.43) 134.32,96.6 J8.23 ; 124.32,85.65 124.72,85.65 v1(124.75,85.68) ; C43.2 152.64,122.26 v1(152.64,122.26) ; 81.79,9 v1(81.79,8.26) ; 132.86,115.44 132.86,117.06 v1(132.85,117.07) ; v1(134.64,117.06) 134.65,117.05 134.65,115.43 ; U2.16 161.24,41.44 v1(161.44,41.24) ; v1(145.54,144.88) 145.54,143.59 145.51,143.56 ; J7.2 169.86,24.97 v1(169.86,24.06) ; U2.53 152.45,48.11 v1(152.44,48.1) ; 134.49,63.97 134.44,63.97 v2(134.31,64.1) ; v1(149.32,145.14) 149.32,143.56 ; 153.12,12.72 152.51,12.72 v1(152.5,12.71) ; SK1.127 124.17,108.78 v1(124.17,108.78) ; v1(152.95,36.53) 152.95,36.53 J5.2 ; v1(146.75,144.86) 146.75,143.59 146.78,143.56 ; SK1.184 141.27,117.11 v1(141.26,117.12) ; v1(137.67,117.07) 137.67,117.06 137.67,115.44 ; U2.30 162.63,49.11 v1(162.63,49.11) ; v2(138.3,61.51) 138.27,61.54 138.27,61.97 ; C432.2 81.6,35.83 v1(81.58,35.85) ; 76.04,9.07 76.04,9.88 v1(76.03,9.9) ; v1(71.09,76.37) 71.12,76.39 72.13,76.39 ; 131.08,115.48 131.08,117.1 v1(131.07,117.11) ; SK1.196 144.87,117.12 v1(144.85,117.14) ; P2.B39 71.97,84.61 v1(72.59,85.23) ; SK1.167 136.17,108.84 v1(136.15,108.85) ; v1(139.35,99.73) 139.02,99.4 J8.19 ; v1(138,108.6) 137.97,108.57 SK1.173 ; SK1.201 146.37,108.99 v1(146.39,109.01) ; U2.11 158.74,42.59 v1(158.72,42.61) ; v1(155.33,115.96) 155.34,115.96 155.34,116.52 ; SK1.190 143.07,117.13 v1(143.06,117.14) ; v1(129.26,117.11) 129.27,117.1 129.27,115.48 ; v1(139.46,117.08) 139.46,117.08 139.46,115.46 ; LD19.1 v1(101.44,4.33) ; v1(132.55,108.94) 132.57,108.92 SK1.155 ; v1(126.18,83.84) 126.17,83.85 126.17,84.3 ; v1(154.15,41.21) 154.24,41.3 U2.2 ; v1(162.73,47.59) 162.72,47.61 U2.27 ; 134.49,61.57 134.38,61.57 v2(134.19,61.38) ; 126.24,115.48 126.24,117.1 v1(126.24,117.11) ; v1(152.99,33.59) 153,33.58 J5.2 ; J8.26 134.18,94.2 v1(134.15,94.23) ; v1(159.23,51.45) 159.24,51.44 U2.37 ; v1(168.65,41.93) 168.65,41.03 Y6.3 ; v1(131.34,109.1) 131.37,109.07 SK1.151 ; SK1.195 144.57,108.98 v1(145.08,109.49) ; v1(153.38,119.29) 153.39,119.27 154.3,119.27 ; v1(170.57,28.79) 170.58,28.78 J7.2 ; v1(128.98,85.72) 128.91,85.65 128.52,85.65 ; v1(86.9,41.48) 86.4,41.98 C433.2 85.65,41.88 85,41.23 U69.2 ; U2.17 162.6,42.61 v1(162.61,42.61) ; SK1.139 127.77,109.15 v1(127.42,109.5) ; v1(162.63,50.13) 162.61,50.11 U2.32 ; v1(167.75,120.13) C55.2 ; C51.2 v1(162.77,125.08) ; R66.1 154.92,124 v1(154.91,123.99) ; SK1.161 134.37,108.8 v1(134.34,108.83) ; C48.2 v1(163.5,125.08) ; SK1.179 139.77,108.77 v1(139.7,108.84) ; v1(145.2,108.99) 145.17,108.97 SK1.197 ; SK1.133 125.97,108.76 v1(126.03,108.83) ; SK1.145 129.57,108.71 v1(129.65,108.8) ; v1(136.46,117.07) 136.47,117.06 136.47,115.44 ; v1(152.35,42.59) 152.37,42.61 U2.64 ; v1(156.07,113.95) 156.1,113.98 C54.2 ; SK1.189 142.77,109.12 v1(142.78,109.13) ; 151.05,12.68 v1(151.03,12.67) ; v1(139.68,94.87) 139.41,94.6 J8.13 ; v1(154.73,51.5) 154.74,51.5 U2.46 ; C323.2 v1(164.67,44.01)